# Altium PCB FMC-USB-PHY-BOARD_r0.2.PcbDoc (part 1 of 2) (continued)
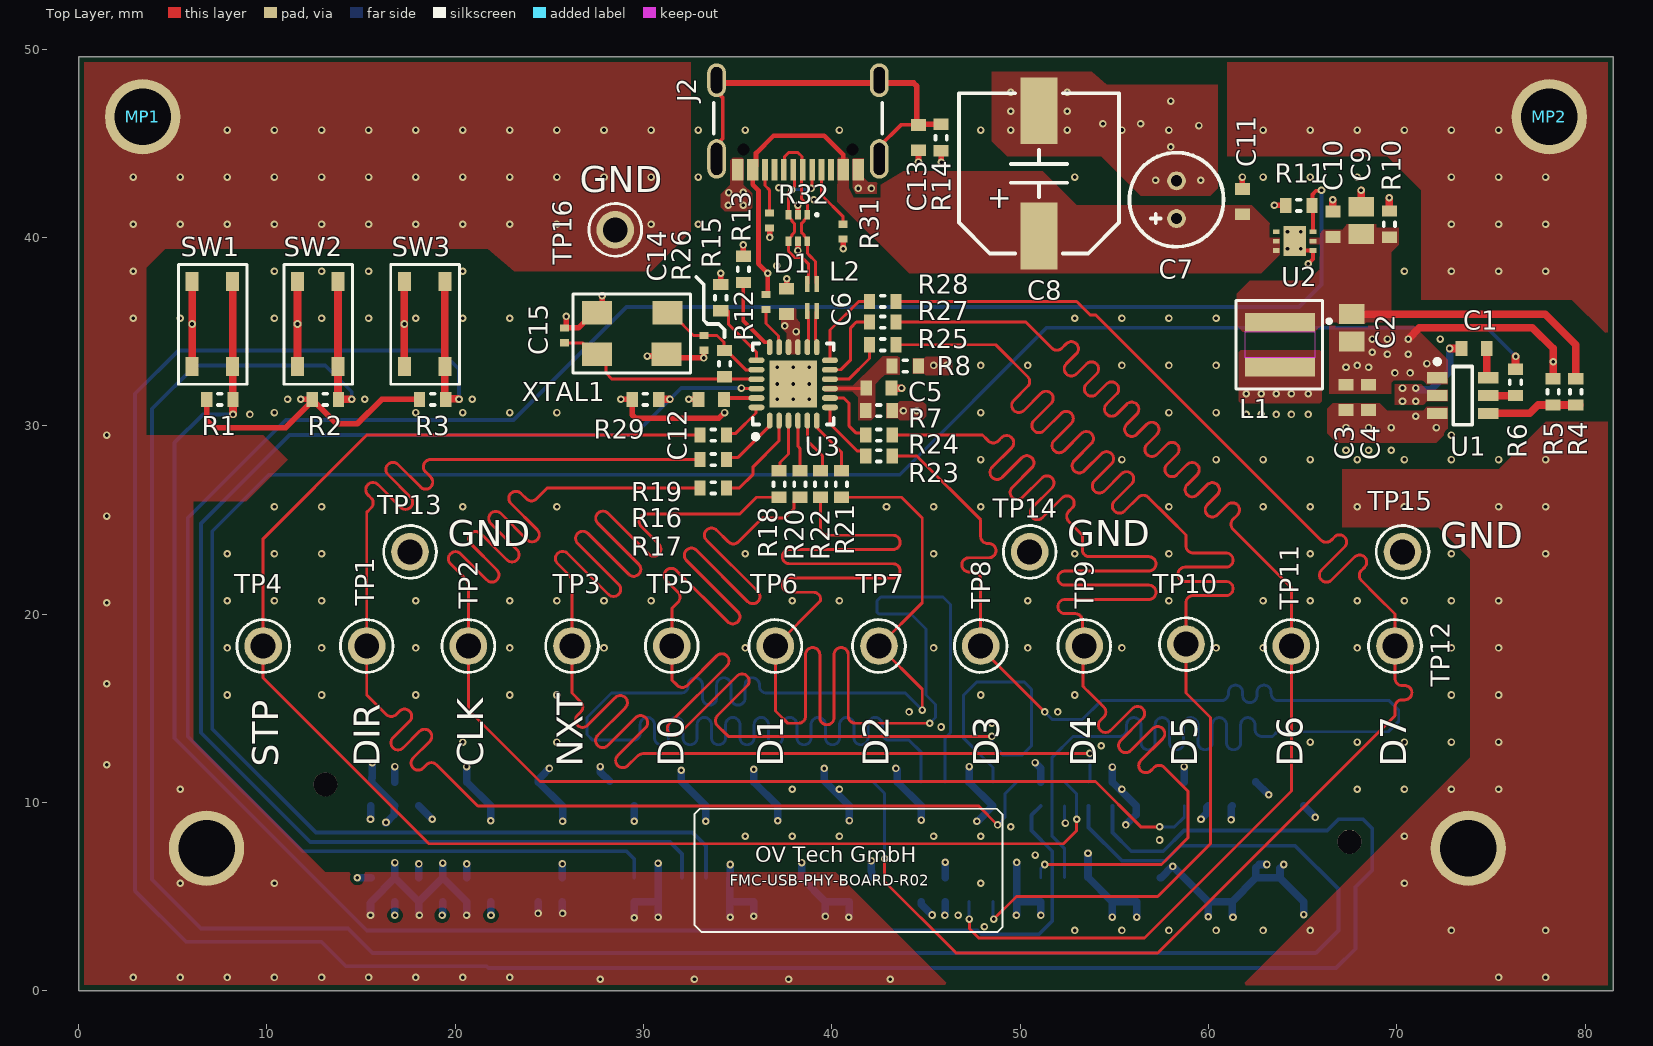
[diagram p0: Top Layer view]
## Footprints (in the part's own frame and the unit in brackets; to place one, negate y for a bottom-side part, rotate by r counter-clockwise, add the part's x,y. Pads: shape width x height; smd on the part's side, far side on the other; paste and mask are expansions set on the pad) (continued)
CAPC1005X06L [mm] "Chip Capacitor, 2-Leads, Body 1,00x0,50mm, IPC High Density"
  rect 0.38x0.48 smd: 1(-0.395,0) 2(0.395,0)
  body extent -0.5,-0.25 0.5,0.25, height 0.5
CAPC1608X10L [mm] "Chip Capacitor, 2-Leads, Body 1,60x0,80mm, IPC High Density"
  rect 0.63x0.8 smd: 1(-0.675,0) 2(0.675,0)
  body extent -0.8,-0.45 0.8,0.45, height 0.8
CAPC2012X14L [mm] "Chip Capacitor, 2-Leads, Body 2,00x1,25mm, IPC High Density"
  rect 1.05x1.35 smd: 1(-0.725,0) 2(0.725,0)
  body extent -1.1,-0.72 1.1,0.72, height 1.25
MP_3MM_PLATED [mm] "Mounting hole with 3mm hole diameter"
  round 4 hole 3: 1(0,0)
QFN50P201X181X60_HS-7N [mm] "QFN, 6-Leads, Body 2,01x1,81mm, Pitch 0,50mm, Thermal Pad 1,00x1,40mm, IPC Medium Density"
  rect 0.35x0.25 smd: 1(-0.975,0.5) 2(-0.975,0) 3(-0.975,-0.5) 4(0.975,-0.5) 5(0.975,0) 6(0.975,0.5)
  rect 1.2x1.6 smd paste-1: 7(0,0)
  body extent -1.01,-0.9 1.01,0.9, height 0.58
QFN50P400X400X100_HS-25M [mm] "QFN, 24-Leads, Body 4,00x4,00mm, Pitch 0,50mm, Thermal Pad 0,30x0,85mm, IPC Low Density"
  oval 0.85x0.3 smd: 1(-1.95,1.25) 2(-1.95,0.75) 3(-1.95,0.25) 4(-1.95,-0.25) 5(-1.95,-0.75) 6(-1.95,-1.25) 13(1.95,-1.25) 14(1.95,-0.75) 15(1.95,-0.25) 16(1.95,0.25) 17(1.95,0.75) 18(1.95,1.25)
  oval 0.3x0.85 smd: 7(-1.25,-1.95) 8(-0.75,-1.95) 9(-0.25,-1.95) 10(0.25,-1.95) 11(0.75,-1.95) 12(1.25,-1.95) 19(1.25,1.95) 20(0.75,1.95) 21(0.25,1.95) 22(-0.25,1.95) 23(-0.75,1.95) 24(-1.25,1.95)
  rect 2.5x2.5 smd paste-2539.97: 25(0,0)
  silkscreen extent -2.92,-2.15 2.15,2.15, body extent -2,-2 2,2, height 1
RESC1005X04L [mm] "Chip Resistor, 2-Leads, Body 1,00x0,53mm, IPC High Density"
  rect 0.38x0.48 smd: 1(-0.395,0) 2(0.395,0)
  body extent -0.52,-0.27 0.53,0.28, height 0.4
RESC1608X04L [mm] "Chip Resistor, 2-Leads, Body 1,60x0,80mm, IPC High Density"
  rect 0.6x0.8 smd: 1(-0.7,0) 2(0.7,0)
  silkscreen extent -0.1,-0.3 0.1,0.3, body extent -0.8,-0.4 0.8,0.4, height 0.45
SOT95P280X110-6N [mm] "SOT23, 6-Leads, Body 2,90x2,80mm, Pitch 0,95mm, IPC Medium Density"
  rect 1.1x0.6 smd: 1(-1.35,0.95) 2(-1.35,0) 3(-1.35,-0.95) 4(1.35,-0.95) 5(1.35,0) 6(1.35,0.95)
  silkscreen extent -1.47,-1.55 0.5,1.92, body extent -1.53,-1.53 1.53,1.53, height 1.1
"SW_TACT_PTS815 SJM 250 SMTR LFS" [mm] "PTS815 SJM 250 SMTR LFS"
  rect 1x0.7 smd: 1(-2.25,-1.075) 2(2.25,-1.075) 3(-2.25,1.075) 4(2.25,1.075)
  silkscreen extent -3.15,-1.8 3.2,1.85, body extent -2.25,-1.6 2.25,1.6, height 2.5
TP_KEYSTONE_4952 [mm] "Loop Type THM Test Point P/N 4952"
  round 2 hole 1.32: TP(0,0)
  silkscreen extent -1.4,-1.4 1.4,1.4, body extent -0.3,-1.5 0.34,1.5, height 6.3
"USB Type C - TYPE-C 16PIN 2MD(073)" [mm] "USB Type-C 2.0 Horizontal Connector"
  rect 0.6x1.14 smd: A1/B12(-3.2,3.605) A4/B9(-2.4,3.605) A9/B4(2.4,3.605) A12/B1(3.2,3.605)
  rect 0.3x1.14 smd: A5(-1.25,3.605) A6(-0.25,3.605) A7(0.25,3.605) A8(1.25,3.605) B5(1.75,3.605) B6(0.75,3.605) B7(-0.75,3.605) B8(-1.75,3.605)
  round 0.4 hole 0.65 unplated: MH1(-2.89,2.535) MH2(2.89,2.535)
  oval 1x2.1 hole 0.6 slot 1.7 at 90 deg: SHD(-4.32,3.035) SHD(4.32,3.035)
  oval 1x1.8 hole 0.6 slot 1.4 at 90 deg: SHD(-4.32,-1.145) SHD(4.32,-1.145)
  silkscreen extent -4.47,0.07 4.47,1.7, body extent -4.79,-3.76 4.79,3.95, height 3.33
WE-CNSW_0603 [mm] "SMT Common Mode Line Filter, 4-leads, body 1.60x0.85mm"
  rect 0.85x0.25 smd: 1(-0.725,0.25) 2(0.725,0.25) 3(0.725,-0.25) 4(-0.725,-0.25)
  body extent -0.8,-0.42 0.8,0.43, height 1.1
WE-MAPI_4030 [mm] "SMT Shielded Power Inductor, body 4.10 x 4.10 mm"
  rect 0.98x3.7 smd: 1(-1.185,0) 2(1.185,0)
  Top Layer keep-out region: -0.695,1.85 0.695,1.85 0.695,-1.85 -0.695,-1.85
  silkscreen extent -2.35,-2.35 2.35,2.7, body extent -2.05,-2.05 2.05,2.05, height 3.1
WE-TVS_SOT563 [mm] "TVS Diode, package SOT563"
  rect 0.3x0.5 smd: 1(-0.5,-0.7) 2(0,-0.7) 3(0.5,-0.7) 4(0.5,0.7) 5(0,0.7) 6(-0.5,0.7)
  silkscreen extent -1.08,-0.77 -0.93,-0.63, body extent -0.8,-0.8 0.8,0.8, height 0.54
XTAL_ECX-53B_5X3.2X0.85 [mm] "The ECX-53B is a miniature SMD Crystal with a 3.2 x 5 mm footprint. This package is ideal for todays compact wireless applications where board space is critical."
  rect 1.6x1.25 smd: 1(-1.875,-1.1) 2(1.875,-1.1) 3(1.875,1.1) 4(-1.825,1.1)
  silkscreen extent -3.1,-2.1 3.15,2.1, body extent -2.5,-1.6 2.5,1.6, height 0.85

## Part data
C1 C4 C5 C10 C11 C13: library part CAP_0603_100n_100V, "Multilayer Ceramic Capacitors MLCC - SMD/SMT 0603 100VDC", Manufacturer 1="Samsung Electro-Mechanics", Manufacturer 1 Prt. Nr.=CL10B104KC8NNNC, Manufacturer 2="Taiyo Yuden", Manufacturer 2 Prt. Nr.=HMK107B7104KA-T
C2: library part CAP_0805_33µ_10V, "Multilayer Ceramic Capacitors MLCC - SMD/SMT 0805 10VDC", Manufacturer 1=TDK, Manufacturer 1 Prt. Nr.=C2012X5R1A336M125AC, Manufacturer 2=TDK, Manufacturer 2 Prt. Nr.=C2012X5R1A336M125AC
C3: library part CAP_0603_2.2µ_35V, "Multilayer Ceramic Capacitors MLCC - SMD/SMT 0603 35VDC", Manufacturer 1=TDK, Manufacturer 1 Prt. Nr.=C1608X5R1V225K080AC, Manufacturer 2="Murata Electronics", Manufacturer 2 Prt. Nr.=GRT188R6YA225KE13J
C6 C12: library part CAP_0603_1µ_16V, "Multilayer Ceramic Capacitors MLCC - SMD/SMT 0603 16VDC", Manufacturer 1="Samsung Electro-Mechanics", Manufacturer 1 Prt. Nr.=CL10A105KO8NNND, Manufacturer 2="Taiyo Yuden", Manufacturer 2 Prt. Nr.=MCASE168SB7105KTNA01
C7: library part CAP_POLY_100µ_10V, "Aluminium-Polymer capacitor  radial 10VDC", Manufacturer 1=KEMET, Manufacturer 1 Prt. Nr.=A750BK107M1AAAE024
C8: library part CAP_POLY_22µF_63V, "Aluminium Organic Polymer Capacitors 63V 22uF 125C 20% ESR=54mOhms", Manufacturer 1=KEMET, Manufacturer Prt. Nr. 1=A768KE226M1JLAE054
C9: library part CAP_0805_10µ_16V, "Multilayer Ceramic Capacitors MLCC - SMD/SMT 0603 25VDC", Manufacturer 1="Samsung Electro-Mechanics", Manufacturer 1 Prt. Nr.=CL21A106KOQNNNG, Manufacturer 2=KEMET, Manufacturer 2 Prt. Nr.=C0805C106K8PAC7210
C14 C15: library part CAP_0402_30pF_50V, "Multilayer Ceramic Capacitors MLCC - SMD/SMT 0402 50VDC", Manufacturer 1="KYOCERA AVX", Manufacturer 1 Prt. Nr.=KGQ05FCG1H300JH, Manufacturer 2=KEMET, Manufacturer 2 Prt. Nr.=C0402C300F5GACTU
D1: library part "ESD 5.5V_82400152", "WE-TVS TVS Diode – High Speed / Series", Manufacturer 1="Würth Elektronik", Manufacturer 1 Prt. Nr.=82400152
J1: library part 160Pin_FMC-LPC_board-to-board_Terminal_ASP-134604-01, "160Pin FMC-LPC board-to-board connector as terminal ASP-134604-01", Manufacturer 1=Samtec, Manufacturer 1 Prt. Nr.=ASP-134604-01
J2: library part "USB 2.0 Type-C Receptacle_TYPE-C 16PIN 2MD(073)", "USB 2.0 C Receptacle Horizontal 16P", Manufacturer 1="SHOU HAN", Manufacturer 1 Prt. Nr.="TYPE-C 16PIN 2MD(073)"
L1: library part IND_WE-MAPI_6.8µH_3.75A, "WE-MAPI SMT Power Inductor shielded", Manufacturer 1=74438357068, Manufacturer 1 Prt. Nr.="Würth Elektronik"
L2: library part "Common Mode Choke_744230900", "WE-CNSW SMT Common Mode / Line Filter", Manufacturer 1="Würth Elektronik", Manufacturer 1 Prt. Nr.=744230900
MP1 MP2 MP3 MP4: "Mounting hole with 1 mm radius"
R1 R2 R3 R11 R29: library part RES_0603_22k_1%, "Thick Film Resistors - SMD 22kOHM 1%", Manufacturer 1=Yageo, Manufacturer 1 Prt. Nr.=AC0603FR-0722KL, Manufacturer 2="Vishay / Dale", Manufacturer 2 Prt. Nr.=CRCW060322K0FKEA
R4: library part RES_0603_100k_1%, "Thick Film Resistors - SMD 100kOHM 1%", Manufacturer 1=Yageo, Manufacturer 1 Prt. Nr.=RC0603FR-10100KL, Manufacturer 2="TE Connectivity / Holsworthy", Manufacturer 2 Prt. Nr.=CRGH0603J100K
R5: library part RES_0603_13k7_1%, "Thick Film Resistors - SMD 13.7kOHM 1%", Manufacturer 1="Vishay / Dale", Manufacturer 1 Prt. Nr.=CRCW060313K7FKEA, Manufacturer 2=Bourns, Manufacturer 2 Prt. Nr.=CR0603-FX-1372ELF
R6 R7 R8 R13 R16 R18 R19 R20 R21 R22 R23 R24 R25 R27 R28: library part RES_0603_0R, "Thick Film Resistors - SMD 0 Ohm", Manufacturer 1=Panasonic, Manufacturer 1 Prt. Nr.=ERJ-3GEY0R00V, Manufacturer 2="Vishay / Dale", Manufacturer 2 Prt. Nr.=CRCW06030000Z0EAHP
R10: library part RES_0603_10k_1%, "Thick Film Resistors - SMD 10kOHM 1%", Manufacturer 1=Yageo, Manufacturer 1 Prt. Nr.=AF0603FR-0710KL, Manufacturer 2="Vishay / Dale", Manufacturer 2 Prt. Nr.=CRCW060310K0FKEB
R12: library part RES_0402_10k_1%, "Thick Film Resistors - SMD 10k 1%", Manufacturer 1="Vishay / Dale", Manufacturer 1 Prt. Nr.=CRCW040210K0FKEDC, Manufacturer 2=YAGEO, Manufacturer 2 Prt. Nr.=RT0402FRE0710KL
R14: library part RES_0603_330R_1%, "Thick Film Resistors - SMD 330OHM 1%", Manufacturer 1=Yageo, Manufacturer 1 Prt. Nr.=RC0603FR-10330RL, Manufacturer 2="Welwyn Components / TT Electronics", Manufacturer 2 Prt. Nr.=WCR0603-330RFI
R15: library part RES_0603_8k06_1%, "Thick Film Resistors - SMD 8.06kOHM 1%", Manufacturer 1=Bourns, Manufacturer 1 Prt. Nr.=CR0603-FX-8061ELF, Manufacturer 2="Vishay / Dale", Manufacturer 2 Prt. Nr.=CRCW06038K06FKEA
R17: library part RES_0603_33R_1%, "Thick Film Resistors - SMD 33OHM 1%", Manufacturer 1=YAGEO, Manufacturer 1 Prt. Nr.=RC0603FR-7W33RL, Manufacturer 2=Bourns, Manufacturer 2 Prt. Nr.=CR0603AFX-33R0EAS
R26: library part RES_0603_1M_1%, "Thick Film Resistors - SMD 1MOHM 1%", Manufacturer 1=Bourns, Manufacturer 1 Prt. Nr.=CR0603-FX-1004ELF, Manufacturer 2="Vishay / Dale", Manufacturer 2 Prt. Nr.=RCC06031M00FKEA
R31 R32: library part RES_0402_5.1k_1%, "Thick Film Resistors - SMD 5.1k 1%", Manufacturer 1="Vishay / Dale", Manufacturer 1 Prt. Nr.=CRCW04025K10FKEDC, Manufacturer 2=Yageo, Manufacturer 2 Prt. Nr.=RC0402FR-075K1L
SW1 SW2 SW3: library part "SW_TACTILE_PTS815 SJM 250 SMTR LFS", "SMD Switch Tactile SMD 4,20mm x 3,20mm", Manufacturer 1=C&K, Manufacturer 1 Prt. Nr.="PTS815 SJM 250 SMTR LFS"
TP1 TP2 TP3 TP4 TP5 TP6 TP7 TP8 TP9 TP10 TP11 TP12 TP13 TP14 TP15 TP16: library part Testpoint_Keystone_4952, "Loop Type THM Test Point P/N 4952", Manufacturer 1=Keystone, Manufacturer 1 Prt. Nr.=4952
U1: library part "Buck 3A 28V_TPS54308DDC", "4.5-V to 28-V Input, 3-A Output, Synchronous 350-kHz FCCM Step-Down Converter in SOT23 Package", Manufacturer 1="Texas Instruments", Manufacturer 1 Prt. Nr.=TPS54308DDC
U2: library part "Power Switch with Current limit 400mA_AP21510FM-7", "Power switch with 400mA Current limit up to 5.5V Input", Manufacturer 1="Diodes Incorporated", Manufacturer 1 Prt. Nr.=AP21510FM-7
U3: library part "USB ULPI Hi-Speed transceiver_USB3343", "26Mhz USB 2.0 ULPI PHY IC with Variable I/O voltage", Manufacturer 1=Microchip, Manufacturer 1 Prt. Nr.=USB3343
XTAL1: library part Crystal_ECX-ECS-260-18-30B-AGM_40MHz, "SMD Crystal 26 MHz 18pF", Manufacturer 1=ECS, Manufacturer 1 Prt. Nr.=ECS-260-18-30B-AGM-TR

## Via types
v1: diameter 0.4, hole 0.2, Top Layer to Bottom Layer, tented both sides, 219 vias
v2: diameter 0.4/0.4/0.4/0.4 (per signal layer), hole 0.2, Top Layer to Bottom Layer, tented both sides, 211 vias

## Nets (pads, with @x,y where several pads share a name; then routed paths per layer and width w, separated by ;. In a path a pad name is that pad's centre, name@x,y a point inside that pad or via, vN(x,y) a via of type N, cw(c..) or ccw(c..) an arc to the next point about the centre after c; other vN are vias at no path point)
1V8_ADJ: J1.G39 J1.H40 R1.2 R2.2 R3.2 R7.2 R29.2 | length 109.7
  Top Layer w0.3: R1.2@6.8,31.4 6.8,30.3 7.2,29.9 11,29.9 12.4,31.3 12.55,31.15 12.65,31.15 13.7,30.1 14.8,30.1 16.1,31.4 17.95,31.4 R3.2@18.129,31.579 ; v1(11.8,31.4) R2.2@12.25,31.4 ; R2.2@12.429,31.579 R2.2@12.429,31.612 ; v1(28.8,31.4) R29.2@29.4,31.4 29.4,30.576 29.576,30.4 34,30.4 v1(34.3,30.7)
  L3 PWR w0.3: v1(11.8,31.4) 14.7,28.5 26.25,28.5 28.8,31.05 v1(28.8,31.4)
  L3 PWR w1: v1(15.6,12.1) 13.6,14.1 7.8,14.1 6.2,15.7 6.2,26 8.7,28.5 43.8,28.5 44.7,29.4 44.7,30.6 v1(44.5,30.8) ; 33.814,28.6 34.3,29.086 v1(34.3,30.7)
  Bottom Layer w0.4: v1(15.6,12.1) 15.6,11.32 15.576,11.296 15.576,11.126 J1.H40@15.53,11.08 J1.G39@16.8,9.81 16.754,9.764 16.754,9.354 v1@16.3,8.9
  other v1: 16.324,8.932 43.8,30.8
3V3: C6.1 J1.C39 J1.D32 J1.D36 J1.D38 J1.D40 R8.2 R13.2 U3.15 U3.16 | length 94.1
  Top Layer w0.3: R13.2@35.3,39 v1(35.3,39.6)
  L3 PWR w1.5: v1(14.8,6) 12.5,6 9.8,3.3 3.979,3.3 3.1,4.179 3.1,29.3 5.2,31.4 6.3,31.4 6.3,32.9 7.75,34.35 29.365,34.35 30.315,35.3 35.228,35.3 ; v1(35.3,39.6) 35.3,35.372 35.228,35.3 ; v1(46.1,33.2) v1(45.4,33.2) 43.3,35.3 v1(37.5,35.3) 35.228,35.3
  Bottom Layer w0.4: v1(14.8,6) J1.D40@15.53,6 ; v1(16.8,4) J1.C39@16.8,4.73 ; J1.D38@18.07,6 v1(18.07,6.73) ; J1.D36@20.61,6 v1(20.61,6.73) ; J1.D32@25.69,6 v1(25.69,6.73)
  other v1: 38.1,35
5V0: C2.1 C9.1 C10.1 L1.1 R4.1 R10.2 U2.2 | length 14.7
  Top Layer w0.4: C2.1@67.3,35.925 77.875,35.925 79.5,34.3 R4.1@79.5,32.5
12V0: C3.1 C4.1 J1.C35 J1.C37 U1.3 | length 87.4
  L3 PWR w1: v1(21.9,4) 21.9,3.4 23.7,1.6 73.1,1.6 77,5.5 77,20.9 71.5,26.4 71.5,28.9 70.5,29.9 v1(69.7,29.9)
  Bottom Layer w0.4: v1(19.3,4) 19.34,4.04 J1.C37@19.34,4.73 ; J1.C35@21.88,4.73 21.88,4.02 v1(21.9,4)
  other v1: 67.3,29.9 68.5,29.9 72.1,29.9 71,30.5
DEBUG_SW1: J1.G12 R1.1 SW1.3 SW1.4 | length 84.4
  Top Layer w0.4: SW1.3@8.175,37.65 SW1.4@8.175,33.15 8.175,31.625 8.2,31.6 R1.1@8.2,31.4 v1(8.2,30.6)
  Bottom Layer w0.2: v1@8.183,30.6 6.6,30.6 5.1,29.1 5.1,13.4 15.3,3.2 47.734,3.2 47.934,3 51,3 51.7,3.7 51.7,7.4 50.6,8.5 50.6,9.32 J1.G12@51.09,9.81
DEBUG_SW2: J1.G10 R2.1 SW2.3 SW2.4 | length 128.2
  Top Layer w0.4: SW2.3@13.775,37.65 SW2.4@13.775,33.15 13.775,31.625 13.8,31.6 13.8,31.5 13.9,31.4 v1(14.5,31.4)
  Bottom Layer w0.2: v1(14.5,31.4) 14.5,31.8 13.1,33.2 6.2,33.2 3.9,30.9 3.9,5.9 6.5,3.3 14.3,3.3 15.6,2 65.7,2 66.9,3.2 66.9,5.4 64.6,7.7 58.5,7.7 57.7,6.9 55.4,6.9 53.63,8.67 J1.G10@53.63,9.81
DEBUG_SW3: J1.G9 R3.1 SW3.3 SW3.4 | length 143.6
  Top Layer w0.4: R3.1@19.45,31.65 SW3.4@19.45,33.15 SW3.3@19.45,37.65 ; R3.1@19.5,31.6 19.5,31.534 19.6,31.434 20.166,31.434 v1(20.2,31.4)
  Bottom Layer w0.2: v1@20.146,31.4 v1(20.2,31.4) 20.2,33 19.2,34 5.3,34 3,31.7 3,5.3 5.7,2.6 12.9,2.6 14.2,1.3 21.666,1.3 21.766,1.2 66.771,1.2 67.8,2.229 67.8,5.5 68.7,6.4 68.7,8.6 68.2,9.1 66.9,9.1 66.3,8.5 58.7,8.5 57.6,7.4 55.9,7.4 54.9,8.4 J1.G9@54.9,9.81
GND: C2.2 C3.2 C4.2 C5.2 C6.2 C7.2 C8.2 C9.2 C10.2 C11.2 C12.2 C13.2 C14.2 C15.2 D1.2 J1.C1 J1.C4 J1.C5 J1.C8 J1.C9 J1.C12 J1.C13 J1.C16 J1.C17 J1.C20 J1.C21 J1.C24 J1.C25 J1.C28 J1.C29 J1.C32 J1.C33 J1.C36 J1.C38 J1.C40 J1.D2 J1.D3 J1.D6 J1.D7 J1.D10 J1.D13 J1.D16 J1.D19 J1.D22 J1.D25 J1.D28 J1.D37 J1.D39 J1.G1 J1.G4 J1.G5 J1.G8 J1.G11 J1.G14 J1.G17 J1.G20 J1.G23 J1.G26 J1.G29 J1.G32 J1.G35 J1.G38 J1.G40 J1.H3 J1.H6 J1.H9 J1.H12 J1.H15 J1.H18 J1.H21 J1.H24 J1.H27 J1.H30 J1.H33 J1.H36 J1.H39 J2.A1/B12 J2.A12/B1 MP1.1 MP2.1 MP3.1 MP4.1 R5.1 R10.1 R11.1 R14.1 R15.2 R31.1 R32.1 SW1.1 SW1.2 SW2.1 SW2.2 SW3.1 SW3.2 TP13.TP TP14.TP TP15.TP TP16.TP U1.1 U2.1 U2.7 U3.25 XTAL1.2 XTAL1.4 | length 135.5
  Top Layer w0.2: U2.7@64.575,39.8 64.9,39.475 v1(64.9,39.4) ; U2.7@64.938,39.438 65.075,39.3 U2.1@65.55,39.3 65.55,38.85 v1(65.3,38.6)
  Top Layer w0.25: D1.2@38.2,41.2 v1(38.2,41.7)
  Top Layer w0.3: v1(25.9,35.8) 25.89,35.79 25.89,35.235 25.85,35.195 C15.2@25.8,35.195 26.545,35.195 27.35,36 XTAL1.2@27.65,36 ; v1(27.8,36.9) 27.8,36.025 XTAL1.2@27.825,36 ; v1(30.2,33.7) 31.125,33.7 XTAL1.4@31.225,33.8 31.425,33.6 v1@33.174,33.6 ; v1(32.4,31.4) C12.2@32.925,31.4 ; v1(33.2,33.6) C14.2@33.2,34.005 ; R15.2@34.1,37.5 v1(34.1,38.1) ; v1(36.7,40) R32.1@36.7,40.505 ; v1(37.6,37.8) 37.6,37.345 C6.2@37.698,37.246 ; v1(40.6,39.4) R31.1@40.6,39.905 ; v1(44.6,44) C13.2@44.6,44.625 ; v1@45.8,44 R14.1@45.8,44.6 ; C11.2@61.8,42.575 v1(61.8,43.2) ; v1(63.5,41.7) R11.1@64.1,41.7
  Top Layer w0.4: SW1.2@6.025,33.15 SW1.1@6.025,37.65 ; SW2.2@11.625,33.15 SW2.1@11.625,37.65 ; SW3.2@17.3,33.15 SW3.1@17.3,37.65 ; C5.2@43.175,32 v1(43.7,32) ; C10.2@66.6,41.375 v1(66.6,42) ; C9.2@68.1,41.625 v1(68.1,42.5) ; R10.1@69.6,41.4 v1(69.6,42.1) ; v1(70.6,34.6) 71.2,35.2 77.2,35.2 78.3,34.1 R5.1@78.3,32.5
  Bottom Layer w0.156: J1.C33@24.41,4.72 J1.C33@24.42,4.73 ; J1.H30@28.2,11.11 J1.H30@28.23,11.08 ; J1.G11@52.36,9.81 52.36,8.94 v1(52.4,8.9) ; v1(58.7,11.9) v1@58.71,11.89
  Bottom Layer w0.4: v1(15.5,4) J1.C40@15.5,4.638 ; v1(15.5,9.1) 15.51,9.11 J1.G40@15.51,9.81 ; J1.C40@15.53,4.73 J1.D39@16.8,6 ; v1(16.8,6.8) J1.D39@16.8,6 ; J1.H39@16.8,11.08 v1(16.8,11.9) ; J1.G38@18.07,9.81 v1(18.78,9.1) ; v1(18.1,4) 18.07,4.03 J1.C38@18.07,4.73 ; v1(19.34,6.775) J1.D37@19.34,6 ; v1(20.6,4) 20.61,4.01 J1.C36@20.61,4.73 J1.D37@19.34,6 ; v1(20.6,11.9) 20.61,11.89 J1.H36@20.61,11.08 J1.G35@21.88,9.81 v1(21.88,9.02) ; v1(24.4,4.1) 24.41,4.11 J1.C33@24.41,4.72 ; v1(25,11.8) 24.586,11.386 24.586,11.377 24.42,11.211 J1.H33@24.42,11.08 J1.G32@25.69,9.81 25.7,9.8 v1(25.7,9) ; J1.C32@25.69,4.73 25.69,4.11 v1(25.7,4.1) ; v1(27.7,11.9) 27.7,11.61 J1.H30@28.2,11.11 ; v1(29.5,3.873) J1.C29@29.5,4.73 J1.C28@30.77,4.73 ; v1(29.5,9) J1.G29@29.5,9.81 ; v1(30.77,3.903) J1.C28@30.77,4.73 ; v1(30.77,6.77) J1.D28@30.77,6 J1.C28@30.77,4.73 ; v1(32,11.7) 32,11.302 31.994,11.296 31.994,11.126 J1.G26@33.31,9.81 v1@33.31,9.01 ; v1(34.6,3.9) 34.58,3.92 J1.C25@34.58,4.73 ; v1(34.6,6.7) 34.6,6.02 J1.D25@34.58,6 J1.C25@34.58,4.73 ; v1(35.85,3.95) J1.C24@35.85,4.73 J1.C25@34.58,4.73 ; v1(35.85,11.75) J1.H24@35.85,11.08 J1.G23@37.12,9.81 v1(37.12,9.02) ; v1(38.4,6.8) 38.39,6.79 J1.D22@38.39,6 J1.C21@39.66,4.73 ; v1(39.6,11.8) 39.6,11.14 J1.G20@40.93,9.81 v1(40.93,9.03) ; v1(39.66,3.94) J1.C21@39.66,4.73 ; v1(40.9,3.9) 40.93,3.93 J1.C20@40.93,4.73 J1.C21@39.66,4.73 ; v1(42.1,6.9) 42.1,6.334 42.108,6.326 42.108,6.092 J1.D19@42.2,6 ; v1(43.4,11.8) 43.47,11.73 J1.H18@43.47,11.08 J1.G17@44.74,9.81 v1(44.74,9.06) ; J1.C17@44.74,4.73 44.74,4.6 44.91,4.43 44.91,4.428 v1(45.321,4.017) ; v1(46,4) 46.01,4.01 46.01,4.284 J1.C16@46.01,4.73 ; J1.D16@46.01,6 46.01,6.806 v1(46.021,6.817) ; v1(47.3,11.9) 47.3,11.1 J1.H15@47.28,11.08 J1.G14@48.55,9.81 47.74,9 v1(47.7,9) ; v1(49.8,4) 49.82,4.02 J1.C13@49.82,4.73 ; v1@49.8,6.8 49.82,6.78 J1.D13@49.82,6 J1.C13@49.82,4.73 ; v1@50.8,12.1 51.09,11.81 J1.H12@51.09,11.08 ; v1(51.1,4) 51.09,4.01 J1.C12@51.09,4.73 J1.C13@49.82,4.73 ; v1(53.6,7.3) 53.6,6.03 J1.C9@54.9,4.73 ; v1@54.9,3.9 J1.C9@54.9,4.73 ; v1@54.9,11.9 J1.H9@54.9,11.08 J1.G8@56.17,9.81 56.154,9.794 56.154,9.354 v1(55.6,8.8) ; v1(56.19,3.909) 56.19,4.71 J1.C8@56.17,4.73 J1.C9@54.9,4.73 ; J1.D7@57.44,6 57.481,6 58.081,6.6 58.11,6.6 J1.D6@58.71,6 J1.C5@59.98,4.73 ; J1.H6@58.71,11.08 v1@58.71,11.89 ; v1(59.6,9.1) 59.909,9.409 59.909,9.739 J1.G5@59.98,9.81 ; v1(59.98,3.92) J1.C5@59.98,4.73 ; v1@61.2,9.1 61.2,9.76 J1.G4@61.25,9.81 ; v1(61.3,3.9) 61.25,3.95 J1.C4@61.25,4.73 ; J1.H3@62.52,11.08 v1(63.2,10.4) ; v1(63.1,6.7) 62.7,6.7 62.52,6.52 J1.D3@62.52,6 ; v1(64,6.7) 63.796,6.496 63.796,6.006 J1.D2@63.79,6 ; v1(65.06,4.04) J1.C1@65.06,4.73 J1.D2@63.79,6 ; J1.G1@65.06,9.81 v1(65.67,9.2) ; J1.D39@16.8,6 J1.C38@18.07,4.73 ; J1.C38@18.07,4.73 J1.D37@19.34,6 ; J1.C5@59.98,4.73 J1.C4@61.25,4.73 ; J1.C4@61.25,4.73 J1.D3@62.52,6 ; J1.D3@62.52,6 J1.D2@63.79,6
  other v1: 27.7,0.6 32.7,0.6 37.7,0.6 43.1,0.6 48.1,3.4 54.89,3.909 46.7,4 58.1,6.6 49.811,6.811 50.8,7.2 57.4,8 49.5,8.7 33.3,9 61.2,9.073 54.9,11.873 1.5,12 50.792,12.113 54.3,13 45.8,14 48.5,14.2 44.1,14.8 52,14.8 1.5,16.3 1.5,20.6 1.5,25.2 67.3,28.7 68.5,28.7 69.7,28.7 1.5,29.5 72.9,29.5 9.1,30.6 62,30.6 62.8,30.6 63.6,30.6 64.4,30.6 65.3,30.6 11.1,31.4 15.2,31.4 20.9,31.4 37.1,31.4 37.947,31.4 38.8,31.4 37.1,32.22 37.947,32.22 38.8,32.22 69.9,32.8 70.7,32.8 37.1,33.1 37.947,33.1 38.8,33.1 67.3,33.1 68.5,33.1 71.6,33.3 78.3,33.4 69.5,33.8 70.6,33.8 68.7,33.9 68.7,34.6 69.5,34.6 72.3,34.6 6.025,35.4 11.625,35.4 17.3,35.4 37.085,38.484 64.2,39.4 64.2,40.3 64.9,40.3 34.5,41.7 35.3,41.7 39.047,42.001 34.521,42.379 35.3,42.4 41.4,42.6 42.1,42.6 37.186,42.631 57.19,43.039 59.59,43.039 45.819,43.985 58,44.8 49.5,45.7 52.5,45.7 59.49,45.939 54.39,46.039 56.39,46.039 49.5,46.7 52.5,46.7 57.99,47.239 49.5,47.7 52.5,47.7
  other v2: 2.9,0.7 5.4,0.7 7.9,0.7 10.4,0.7 12.9,0.7 15.4,0.7 17.9,0.7 20.4,0.7 22.9,0.7 75.4,0.7 77.9,0.7 52.9,3.2 55.4,3.2 57.9,3.2 60.4,3.2 62.9,3.2 65.4,3.2 72.9,3.2 77.9,3.2 5.4,5.7 10.4,5.7 47.9,5.7 70.4,5.7 35.4,8.2 37.9,8.2 40.4,8.2 45.4,8.2 47.9,8.2 70.4,8.2 5.4,10.7 37.9,10.7 40.4,10.7 55.4,10.7 67.9,10.7 70.4,10.7 72.9,10.7 75.4,10.7 20.4,13.2 25.4,13.2 65.4,13.2 67.9,13.2 70.4,13.2 72.9,13.2 75.4,13.2 7.9,15.7 12.9,15.7 17.9,15.7 22.9,15.7 25.4,15.7 47.9,15.7 52.9,15.7 72.9,15.7 75.4,15.7 7.9,18.2 12.9,18.2 17.9,18.2 22.9,18.2 27.9,18.2 35.4,18.2 45.4,18.2 50.4,18.2 55.4,18.2 60.4,18.2 62.9,18.2 67.9,18.2 72.9,18.2 75.4,18.2 7.9,20.7 10.4,20.7 12.9,20.7 17.9,20.7 22.9,20.7 25.4,20.7 27.9,20.7 30.4,20.7 37.9,20.7 40.4,20.7 50.4,20.7 57.9,20.7 62.9,20.7 65.4,20.7 67.9,20.7 70.4,20.7 72.9,20.7 75.4,20.7 7.9,23.2 10.4,23.2 12.9,23.2 35.4,23.2 45.4,23.2 52.9,23.2 57.9,23.2 65.4,23.2 72.9,23.2 77.9,23.2 10.4,25.7 12.9,25.7 20.4,25.7 25.4,25.7 42.9,25.7 45.4,25.7 47.9,25.7 57.9,25.7 62.9,25.7 65.4,25.7 67.9,25.7 70.4,25.7 75.4,25.7 77.9,25.7 47.9,28.2 55.4,28.2 60.4,28.2 62.9,28.2 65.4,28.2 67.9,28.2 70.4,28.2 72.9,28.2 75.4,28.2 77.9,28.2 10.4,30.7 17.9,30.7 20.4,30.7 22.9,30.7 25.4,30.7 47.9,30.7 57.9,30.7 60.4,30.7 47.9,33.2 50.4,33.2 55.4,33.2 57.9,33.2 60.4,33.2 67.9,33.2 2.9,35.7 5.4,35.7 10.4,35.7 12.9,35.7 15.4,35.7 17.9,35.7 20.4,35.7 22.9,35.7 52.9,35.7 55.4,35.7 57.9,35.7 60.4,35.7 2.9,38.2 10.4,38.2 12.9,38.2 15.4,38.2 20.4,38.2 70.4,38.2 72.9,38.2 75.4,38.2 77.9,38.2 2.9,40.7 5.4,40.7 7.9,40.7 10.4,40.7 12.9,40.7 15.4,40.7 17.9,40.7 20.4,40.7 22.9,40.7 25.4,40.7 30.4,40.7 32.9,40.7 72.9,40.7 75.4,40.7 77.9,40.7 2.9,43.2 5.4,43.2 7.9,43.2 10.4,43.2 12.9,43.2 15.4,43.2 17.9,43.2 20.4,43.2 22.9,43.2 25.4,43.2 27.9,43.2 30.4,43.2 32.9,43.2 52.9,43.2 62.9,43.2 65.4,43.2 67.9,43.2 72.9,43.2 75.4,43.2 77.9,43.2 7.9,45.7 10.4,45.7 12.9,45.7 15.4,45.7 17.9,45.7 20.4,45.7 22.9,45.7 25.4,45.7 27.9,45.7 30.4,45.7 32.9,45.7 35.4,45.7 40.4,45.7 47.9,45.7 55.4,45.7 57.9,45.7 62.9,45.7 65.4,45.7 67.9,45.7 70.4,45.7 72.9,45.7 75.4,45.7
NetC1_1: C1.1 U1.6 | length 1.7
  Top Layer w0.4: U1.6@74.85,32.55 74.775,32.625 C1.1@74.775,34.1 C1.1@74.85,34.025
NetC1_2: C1.2 L1.2 U1.2 | length 4.1
  Top Layer w0.4: v1(72.8,34.1) C1.2@73.425,34.1
  Bottom Layer w0.4: v1(71,32) 71.1,31.9 71.8,31.9 72.8,32.9 v1(72.8,34.1)
  other v1: 70.3,31.3 71,31.3 62,31.7 62.8,31.7 63.6,31.7 64.4,31.7 65.3,31.7 70.3,32
NetC5_1: C5.1 R7.1 R8.1 U3.9 | length 1.9
  Top Layer w0.159: U3.9@39.897,31.97 C5.1@41.822,31.97
NetC12_1: C12.1 U3.23 | length 1.7
  Top Layer w0.2: C12.1@34.345,31.47 U3.23@35.997,31.47
NetC13_1: C13.1 J2.SHD R14.2 | length 21.1
  Top Layer w0.2: J2.SHD@33.88,44.165 33.88,44.912 34.2,45.232 34.2,47.428 33.88,47.748 J2.SHD@33.88,48.345 ; J2.SHD@42.52,44.165 42.52,44.82 43.675,45.975 44.515,45.975 C13.1@44.515,46.06
  Top Layer w0.3: J2.SHD@34.292,48.2 44.339,48.2 44.515,48.024 C13.1@44.515,46.06 ; C13.1@44.6,45.975 44.625,46 R14.2@45.8,46
NetJ2_A5: J2.A5 R31.2 | length 3.4
  Top Layer w0.158: J2.A5@39.45,43.595 39.45,42.25 40.6,41.1 R31.2@40.6,40.695
NetJ2_B5: J2.B5 R32.2 | length 2.4
  Top Layer w0.158: J2.B5@36.45,43.595 36.45,42.75 36.7,42.5 R32.2@36.7,41.295
NetR4_2: R4.2 R5.2 U1.4 | length 5
  Top Layer w0.4: U1.4@74.85,30.65 77.05,30.65 77.5,31.1 R4.2@79.5,31.1 R4.2@79.7,31.1
NetR6_2: R6.2 U1.5 | length 1.4
  Top Layer w0.4: U1.5@74.85,31.6 R6.2@76.3,31.6
NetR12_1: R12.1 U3.17 | length 2.3
  Top Layer w0.159: R12.1@36.5,36.175 36.5,35.433 37.17,34.763 37.17,34.197 U3.17@37.197,34.17
NetR13_1: R13.1 U3.18 | length 4.1
  Top Layer w0.2: R13.1@35.3,37.6 35.3,35.566 36.441,34.425 36.651,34.425 36.697,34.379 U3.18@36.697,34.17
NetR16_2: R16.2 U3.1 | length 3.3
  Top Layer w0.159: R16.2@34.4,28.2 34.5,28.3 35,28.3 36.697,29.997 U3.1@36.697,30.27
NetR17_2: R17.2 U3.2 | length 5.1
  Top Layer w0.159: R17.2@34.4,26.7 35.1,26.7 35.8,27.4 35.8,27.8 37.197,29.197 U3.2@37.197,30.27
NetR18_2: R18.2 U3.3 | length 2.9
  Top Layer w0.159: R18.2@37.2,27.6 37.245,27.645 37.245,28.045 37.697,28.497 U3.3@37.697,30.27
NetR19_2: R19.2 U3.24 | length 2.3
  Top Layer w0.159: R19.2@34.4,29.576 34.876,29.576 35.974,30.674 35.974,30.947 U3.24@35.997,30.97
NetR20_2: R20.2 U3.4 | length 2.7
  Top Layer w0.159: U3.4@38.197,30.27 38.197,28.903 38.3,28.8 R20.2@38.3,27.6
NetR21_2: R21.2 U3.5 | length 3
  Top Layer w0.159: U3.5@38.697,30.27 38.697,29.203 39.497,28.403 39.497,27.697 R21.2@39.4,27.6
NetR22_2: R22.2 U3.6 | length 3.2
  Top Layer w0.159: U3.6@39.197,30.27 39.197,29.956 39.267,29.886 39.267,29.833 40.5,28.6 R22.2@40.5,27.628
NetR23_2: R23.2 U3.7 | length 3.5
  Top Layer w0.159: U3.7@39.897,30.97 39.897,30.103 41.355,28.645 41.58,28.645 R23.2@41.8,28.425
NetR24_2: R24.2 U3.8 | length 3.4
  Top Layer w0.159: U3.8@39.897,31.47 40.63,31.47 40.9,31.2 40.9,30 41.3,29.6 41.7,29.6 R24.2@41.8,29.5
NetR25_2: R25.2 U3.10 | length 3.3
  Top Layer w0.156: U3.10@39.897,32.47 40.897,32.47 42.002,33.575 R25.2@42.002,34.27
NetR27_2: R27.2 U3.11 | length 4.1
  Top Layer w0.156: U3.11@39.897,32.97 40.47,32.97 40.997,33.497 40.997,35.197 41.3,35.5 R27.2@42,35.5
NetR28_2: R28.2 U3.12 | length 4.3
  Top Layer w0.156: U3.12@39.897,33.47 U3.12@39.897,33.534 ; U3.12@39.897,33.535 39.897,35.075 41.422,36.6 R28.2@42,36.6
USB_ESD_N: D1.3 D1.4 J2.A7 J2.B7 L2.2 | length 9.2
  Top Layer w0.158: J2.A7@37.95,43.595 38.021,43.524 38.021,42.693 v1(37.861,42.533) 37.7,42.372 D1.3@37.7,41.2 37.7,41.1 37.871,40.929 37.871,40.876 38.021,40.726 38.021,40.274 37.871,40.124 37.871,40.071 37.7,39.9 D1.4@37.7,39.8 37.7,39.264 38.043,38.921 38.421,38.921 38.768,38.575 38.768,37.968 38.743,37.943 38.743,37.576 L2.2@38.697,37.529 ; v1(38.9,42.6) 38.9,42.666 38.95,42.716 J2.B7@38.95,43.595
  Bottom Layer w0.158: v1(37.861,42.533) 38.767,42.533 v1@38.834,42.6
USB_ESD_P: D1.1 D1.6 J2.A6 J2.B6 L2.3 | length 9.2
  Top Layer w0.158: J2.B6@37.45,43.595 37.492,43.637 37.492,44.292 37.7,44.5 38.2,44.5 38.408,44.292 38.408,43.637 J2.A6@38.45,43.595 38.379,43.524 38.379,42.545 38.375,42.542 38.375,42.06 38.7,41.736 D1.1@38.7,41.2 38.7,41.1 38.529,40.929 38.529,40.876 38.379,40.726 38.379,40.274 38.529,40.124 38.529,40.071 38.7,39.9 D1.6@38.7,39.8 38.7,39.148 38.795,39.053 39.125,38.723 39.125,37.968 39.15,37.943 39.15,37.576 L2.3@39.197,37.529
USB_N: L2.1 U3.14 | length 2
  Top Layer w0.158: L2.1@38.697,36.079 38.743,36.033 38.743,35.666 38.768,35.641 38.768,34.946 38.768,34.554 38.697,34.483 U3.14@38.697,34.17